# Altium PCB PCB1.PcbDoc
Units mil, origin at the board's own origin, x right, y up, seen from the top; angles counter-clockwise.
Board outline 8957.49 x 2957.48 mil, 2 copper layers (Top Layer, Bottom Layer); 114 components, 77 nets, 439 pads, 31 vias.
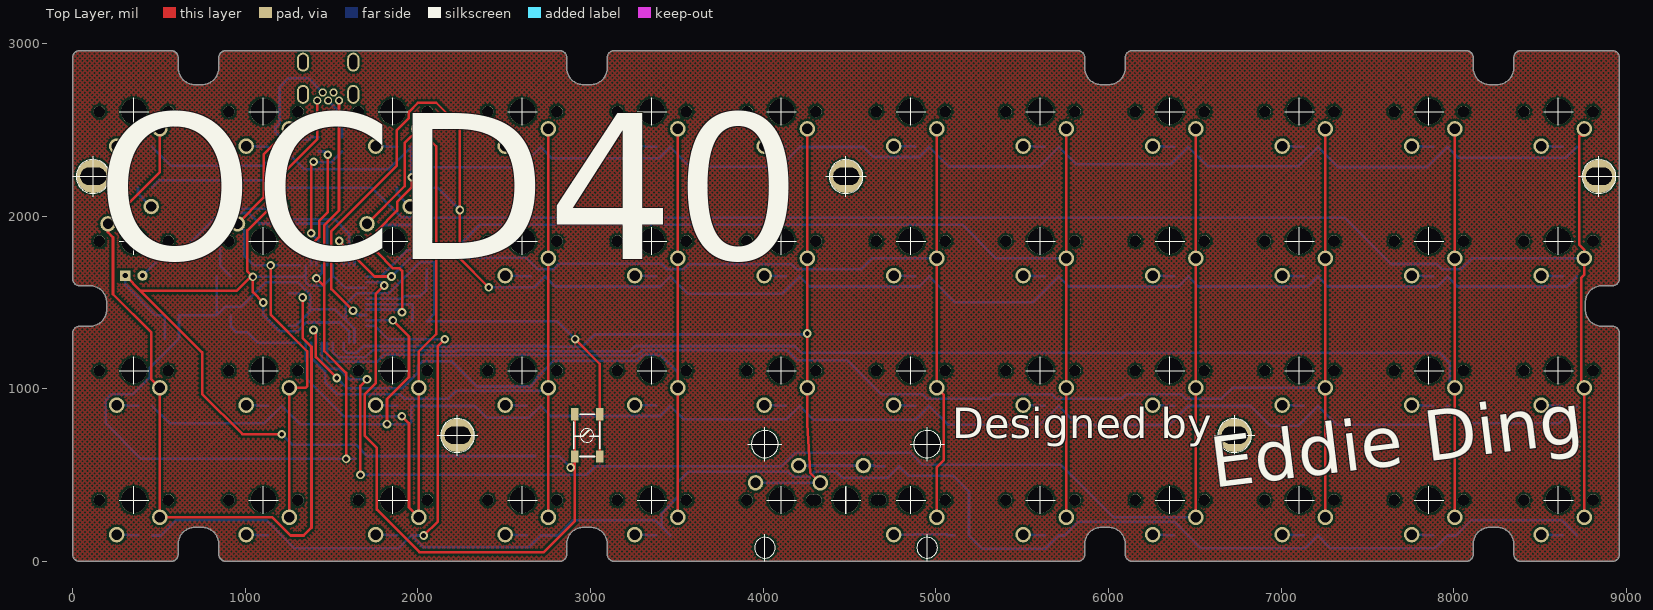
[diagram p0: Top Layer view]
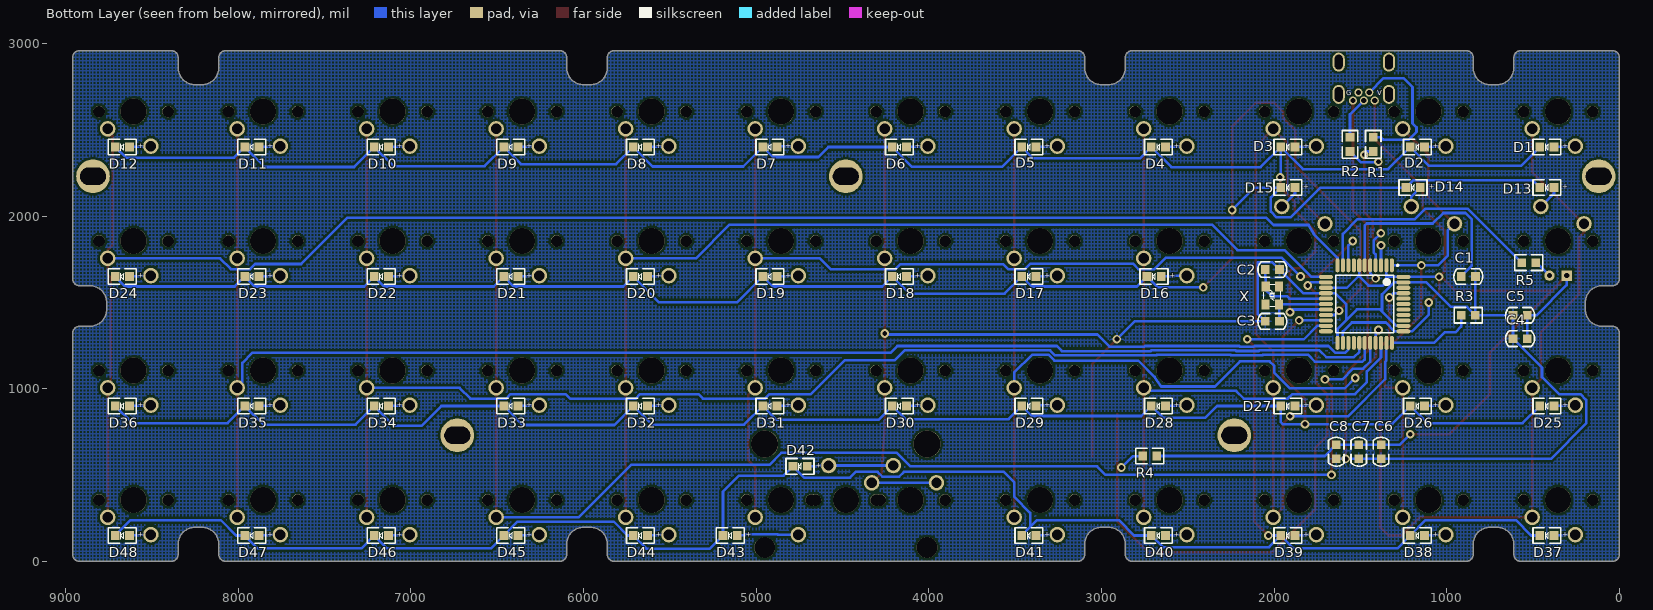
[diagram p1: Bottom Layer view, seen from below]

## Layer stack, top to bottom
Top Solder: solder mask 0.4, Solder Resist, Dk 3.5
Top Layer: signal copper 1.4
Dielectric 1: dielectric 12.6, FR-4, Dk 4.8
Bottom Layer: signal copper 1.4
Bottom Solder: solder mask 0.4, Solder Resist, Dk 3.5

## Board outline
39.62,0.25 cw(c39.62,39.62) 0.25,39.62 0.25,1321.51 cw(c39.62,1321.51) 39.62,1360.88 98.68,1360.88 ccw(c98.68,1459.31) 197.1,1459.31 197.1,1498.68 ccw(c98.68,1498.68) 98.68,1597.1 39.62,1597.1 cw(c39.62,1636.47) 0.25,1636.47 0.25,2918.36 cw(c39.62,2918.36) 39.62,2957.73 571.51,2957.73 cw(c571.51,2918.36) 610.88,2918.36 610.88,2859.31 ccw(c709.31,2859.31) 709.31,2760.88 748.68,2760.88 ccw(c748.68,2859.31) 847.1,2859.31 847.1,2918.36 cw(c886.47,2918.36) 886.47,2957.73 2821.51,2957.73 cw(c2821.51,2918.36) 2860.88,2918.36 2860.88,2859.31 ccw(c2959.31,2859.31) 2959.31,2760.88 2998.68,2760.88 ccw(c2998.68,2859.31) 3097.1,2859.31 3097.1,2918.36 cw(c3136.47,2918.36) 3136.47,2957.73 5821.51,2957.73 cw(c5821.51,2918.36) 5860.88,2918.36 5860.88,2859.31 ccw(c5959.31,2859.31) 5959.31,2760.88 5998.68,2760.88 ccw(c5998.68,2859.31) 6097.1,2859.31 6097.1,2918.36 cw(c6136.47,2918.36) 6136.47,2957.73 8071.51,2957.73 cw(c8071.51,2918.36) 8110.88,2918.36 8110.88,2859.31 ccw(c8209.31,2859.31) 8209.31,2760.88 8248.68,2760.88 ccw(c8248.68,2859.31) 8347.1,2859.31 8347.1,2918.36 cw(c8386.48,2918.36) 8386.48,2957.73 8918.37,2957.73 cw(c8918.37,2918.36) 8957.74,2918.36 8957.74,1636.47 cw(c8918.37,1636.47) 8918.37,1597.1 8859.31,1597.1 ccw(c8859.31,1498.68) 8760.88,1498.68 8760.88,1459.31 ccw(c8859.31,1459.31) 8859.31,1360.88 8918.37,1360.88 cw(c8918.37,1321.51) 8957.74,1321.51 8957.74,39.62 cw(c8918.37,39.62) 8918.37,0.25 8386.48,0.25 cw(c8386.48,39.62) 8347.1,39.62 8347.1,98.68 ccw(c8248.68,98.68) 8248.68,197.1 8209.31,197.1 ccw(c8209.31,98.68) 8110.88,98.68 8110.88,39.62 cw(c8071.51,39.62) 8071.51,0.25 6136.47,0.25 cw(c6136.47,39.62) 6097.1,39.62 6097.1,98.68 ccw(c5998.68,98.68) 5998.68,197.1 5959.31,197.1 ccw(c5959.31,98.68) 5860.88,98.68 5860.88,39.62 cw(c5821.51,39.62) 5821.51,0.25 3136.47,0.25 cw(c3136.47,39.62) 3097.1,39.62 3097.1,98.68 ccw(c2998.68,98.68) 2998.68,197.1 2959.31,197.1 ccw(c2959.31,98.68) 2860.88,98.68 2860.88,39.62 cw(c2821.51,39.62) 2821.51,0.25 886.47,0.25 cw(c886.47,39.62) 847.1,39.62 847.1,98.68 ccw(c748.68,98.68) 748.68,197.1 709.31,197.1 ccw(c709.31,98.68) 610.88,98.68 610.88,39.62 cw(c571.51,39.62) 571.51,0.25

## Design rules (kind name [scope] priority, off if disabled: settings)
Clearance [All] p1: gap=6
PolygonConnect [All] p1: connectstyle=Relief reliefconductorwidth=10 reliefentries=4 polygonreliefangle="90 Angle" airgapwidth=10
RoutingVias [All] p1: holewidth=28 width=50 viastyle="Through Hole" minholewidth=28 minwidth=50 maxholewidth=28 maxwidth=50
SolderMaskExpansion [All] p1: expansion=4
Width [All] p1: maxlimit=15 minlimit=6 preferedwidth=10
29 further rules are at their usual default settings.

## Classes and differential pairs
component class Sheet1: C1 C2 C3 C4 C5 C6 C7 C8 D1 D2 D3 D4 D5 D6 D7 D8 D9 D10 D11 D12 D13 D14 D15 D16 D17 D18 D19 D20 D21 D22 D23 D24 D25 D26 D27 D28 D29 D30 D31 D32 D33 D34 D35 D36 D37 D38 D39 D40 D41 D42 D43 D44 D45 D46 D47 D48 R1 R2 R3 R4 R5 X ""

## Components (designator, comment, footprint, x,y, rotation, side; value= is the part's Value field where it differs from the comment)
C1 "C0805" C 875,1650 r0 bottom
C2 "C0805" C 2010,1690 r180 bottom
C3 "C0805" C 2010,1390 r0 bottom
C4 "C0805" C 575,1290 r0 bottom
C5 "C0805" C 575,1425 r0 bottom
C6 "C0805" C 1380,635 r270 bottom
C7 "C0805" C 1510,635 r270 bottom
C8 "C0805" C 1640,635 r270 bottom
D1 "D0805" D0805 420,2400 r0 bottom
D2 "D0805" D0805 1170,2400 r0 bottom
D3 "D0805" D0805 1920,2400 r0 bottom
D4 "D0805" D0805 2670,2400 r0 bottom
D5 "D0805" D0805 3420,2400 r0 bottom
D6 "D0805" D0805 4170,2400 r0 bottom
D7 "D0805" D0805 4920,2400 r0 bottom
D8 "D0805" D0805 5670,2400 r0 bottom
D9 "D0805" D0805 6420,2400 r0 bottom
D10 "D0805" D0805 7170,2400 r0 bottom
D11 "D0805" D0805 7920,2400 r0 bottom
D12 "D0805" D0805 8670,2400 r0 bottom
D13 "D0805" D0805 420,2165 r0 bottom
D14 "D0805" D0805 1195,2165 r0 bottom
D15 "D0805" D0805 1920,2165 r0 bottom
D16 "D0805" D0805 2695,1650 r0 bottom
D17 "D0805" D0805 3420,1650 r0 bottom
D18 "D0805" D0805 4170,1650 r0 bottom
D19 "D0805" D0805 4920,1650 r0 bottom
D20 "D0805" D0805 5670,1650 r0 bottom
D21 "D0805" D0805 6420,1650 r0 bottom
D22 "D0805" D0805 7170,1650 r0 bottom
D23 "D0805" D0805 7920,1650 r0 bottom
D24 "D0805" D0805 8670,1650 r0 bottom
D25 "D0805" D0805 420,900 r0 bottom
D26 "D0805" D0805 1170,900 r0 bottom
D27 "D0805" D0805 1920,900 r0 bottom
D28 "D0805" D0805 2670,900 r0 bottom
D29 "D0805" D0805 3420,900 r0 bottom
D30 "D0805" D0805 4170,900 r0 bottom
D31 "D0805" D0805 4920,900 r0 bottom
D32 "D0805" D0805 5670,900 r0 bottom
D33 "D0805" D0805 6420,900 r0 bottom
D34 "D0805" D0805 7170,900 r0 bottom
D35 "D0805" D0805 7920,900 r0 bottom
D36 "D0805" D0805 8670,900 r0 bottom
D37 "D0805" D0805 420,150 r0 bottom
D38 "D0805" D0805 1170,150 r0 bottom
D39 "D0805" D0805 1920,150 r0 bottom
D40 "D0805" D0805 2670,150 r0 bottom
D41 "D0805" D0805 3420,150 r0 bottom
D42 "D0805" D0805 4745,550 r0 bottom
D43 "D0805" D0805 5150,150 r0 bottom
D44 "D0805" D0805 5670,150 r0 bottom
D45 "D0805" D0805 6420,150 r0 bottom
D46 "D0805" D0805 7170,150 r0 bottom
D47 "D0805" D0805 7920,150 r0 bottom
D48 "D0805" D0805 8670,150 r0 bottom
J "USB" USB 1480,2780 r180 bottom
KEY "KEY" KEY 2980,730 r90 top
R1 "R0805" R 1425,2415 r270 bottom
R2 "R0805" R 1560,2415 r270 bottom
R3 "R0805" R 875,1425 r180 bottom
R4 "R0805" R 2720,610 r180 bottom
R5 "R0805" R 525,1730 r0 bottom (schematic designator R?)
S1 "MX2" MX2 355,2605 r180 top
S2 "MX2" MX2 1105,2605 r180 top
S3 "MX2" MX2 1855,2605 r180 top
S4 "MX2" MX2 2605,2605 r180 top
S5 "MX2" MX2 3355,2605 r180 top
S6 "MX2" MX2 4105,2605 r180 top
S7 "MX2" MX2 4855,2605 r180 top
S8 "MX2" MX2 5605,2605 r180 top
S9 "MX2" MX2 6355,2605 r180 top
S10 "MX2" MX2 7105,2605 r180 top
S11 "MX2" MX2 7855,2605 r180 top
S12 "MX2" MX2 8605,2605 r180 top
S13 "MX4" MX4 355,1855 r0 top
S14 "MX2" MX2 1105,1855 r0 top
S15 "MX2" MX2 1855,1855 r0 top
S16 "MX2" MX2 2605,1855 r180 top
S17 "MX2" MX2 3355,1855 r180 top
S18 "MX2" MX2 4105,1855 r180 top
S19 "MX2" MX2 4855,1855 r180 top
S20 "MX2" MX2 5605,1855 r180 top
S21 "MX2" MX2 6355,1855 r180 top
S22 "MX2" MX2 7105,1855 r180 top
S23 "MX2" MX2 7855,1855 r180 top
S24 "MX2" MX2 8605,1855 r180 top
S25 "MX2" MX2 355,1105 r180 top
S26 "MX2" MX2 1105,1105 r180 top
S27 "MX2" MX2 1855,1105 r180 top
S28 "MX2" MX2 2605,1105 r180 top
S29 "MX2" MX2 3355,1105 r180 top
S30 "MX2" MX2 4105,1105 r180 top
S31 "MX2" MX2 4855,1105 r180 top
S32 "MX2" MX2 5605,1105 r180 top
S33 "MX2" MX2 6355,1105 r180 top
S34 "MX2" MX2 7105,1105 r180 top
S35 "MX2" MX2 7855,1105 r180 top
S36 "MX2" MX2 8605,1105 r180 top
S37 "MX2" MX2 355,355 r180 top
S38 "MX2" MX2 1105,355 r180 top
S39 "MX2" MX2 1855,355 r180 top
S40 "MX2" MX2 2605,355 r180 top
S41 "MX2" MX2 3355,355 r180 top
S42 "MX2" MX2 4105,355 r0 top
S42_2 "MX2" MX2 4480,355 r0 top
S43 "MX2" MX2 4855,355 r180 top
S44 "MX2" MX2 5605,355 r180 top
S45 "MX2" MX2 6355,355 r180 top
S46 "MX2" MX2 7105,355 r180 top
S47 "MX2" MX2 7855,355 r180 top
S48 "MX2" MX2 8605,355 r180 top
U1 "32U4" 32U4 1475,1490 r270 bottom
X "X" X 2010,1540 r270 bottom

## Footprints (in the part's own frame and the unit in brackets; to place one, negate y for a bottom-side part, rotate by r counter-clockwise, add the part's x,y. Pads: shape width x height; smd on the part's side, far side on the other; paste and mask are expansions set on the pad)
32U4 [mm]
  oval 2.05x0.6 smd: 1(-5.7,4) 2(-5.7,3.2) 3(-5.7,2.4) 4(-5.7,1.6) 5(-5.7,0.8) 6(-5.7,0) 7(-5.7,-0.8) 8(-5.7,-1.6) 9(-5.7,-2.4) 10(-5.7,-3.2) 11(-5.7,-4) 23(5.7,-4) 24(5.7,-3.2) 25(5.7,-2.4) 26(5.7,-1.6) 27(5.7,-0.8) 28(5.7,0) 29(5.7,0.8) 30(5.7,1.6) 31(5.7,2.4) 32(5.7,3.2) 33(5.7,4)
  oval 0.6x2.05 smd: 12(-4,-5.7) 13(-3.2,-5.7) 14(-2.4,-5.7) 15(-1.6,-5.7) 16(-0.8,-5.7) 17(0,-5.7) 18(0.8,-5.7) 19(1.6,-5.7) 20(2.4,-5.7) 21(3.2,-5.7) 22(4,-5.7) 34(4,5.7) 35(3.2,5.7) 36(2.4,5.7) 37(1.6,5.7) 38(0.8,5.7) 39(0,5.7) 40(-0.8,5.7) 41(-1.6,5.7) 42(-2.4,5.7) 43(-3.2,5.7) 44(-4,5.7)
  silkscreen extent -5.82,-4.25 4.25,4.97, body extent -6,-6 6,6, height 1.2
C [mil]
  rect 50x50 smd: 1(-41.35,0.05) 2(41.35,-0.05)
  silkscreen extent -83,-45 84,45, body extent -39,-24 39,25, height 30
D0805 [mil]
  rect 50x50 smd: 1(-41.15,-0.1) 2(41.15,0.1)
  silkscreen extent -81,-45 81,45, body extent -40,-25 39,25, height 22
KEY [mil]
  rect 70.9x43.3 smd: 1(-122.5,72.5) 1(122.5,72.5) 2(-122.5,-72.5)
  rect 70.9x43.3 smd mask+4: 2(122.5,-72.5)
  silkscreen extent -122,-72 122,78
MX2 [mil]
  round 90 hole 60: 1(-150,100) 2(100,200)
  round 67 hole 67 unplated: ""(-200,0) ""(200,0)
  round 150 hole 150 unplated: ""(0,0)
  silkscreen extent -85,-80 85,80
MX4 [mil]
  round 90 hole 60: 1(-150,100) 2(100,200)
  rect 60x60 hole 30: 3(-50,-200)
  round 60 hole 30: 4(50,-200)
  round 67 hole 67 unplated: ""(-200,0) ""(200,0)
  round 150 hole 150 unplated: ""(0,0)
  silkscreen extent -85,-80 85,80
R [mil]
  rect 50x50 smd: 1(-41.15,-0.1) 2(41.15,0.1)
  silkscreen extent -81,-45 81,45, body extent -40,-25 39,25, height 22
USB [mil]
  oval 70x110 hole 45 slot 85 at 90 deg: 0(-145.5,-75.5) 0(-145.5,111.5) 0(145.5,-75.5) 0(145.5,111.5)
  round 47.24 hole 30: 1(63,-111.5) 2(31.5,-64.5) 3(0,-111.5) 4(-31.5,-64.5) 5(-63,-111.5)
  body extent -154,-124 150,230, height 156
X [mil]
  rect 59.06x47.24 smd: 1(-51,-38.5) 2(52,-39.5) 3(52,39.5) 4(-52,38.5)
  silkscreen extent -61,-50 65,48, body extent -61,-50 65,48, height 31

## Free pads (board coordinates)
  round 120 hole 120: 0(4010,80) 0(4950,80)
  round 157 hole 157: 1(4010,680) 1(4950,680)
  round 195 hole 100 slot 150 at 0 deg: 2(120,2230) 2(2230,730) 2(4480,2230) 2(6730,730) 2(8840,2230)

## Via types
v1: diameter 50, hole 28, Top Layer to Bottom Layer, 31 vias

## Nets (pads, with @x,y where several pads share a name; then routed paths per layer and width w, separated by ;. In a path a pad name is that pad's centre, name@x,y a point inside that pad or via, vN(x,y) a via of type N, cw(c..) or ccw(c..) an arc to the next point about the centre after c; other vN are vias at no path point)
GND: C1.1 C2.2 C3.2 C4.2 C5.2 C6.2 C7.2 C8.2 J.5 KEY.2 R3.2 U1.5 U1.15 U1.23 U1.35 U1.43 | length 9166.1
  Top Layer w15: v1(1412,1639) 1458.08,1592.92 ; J.5 1543,2032.42 1458.08,1947.5 1458.08,1592.92 ; v1(1584,593.65) 1584,1091 1458.08,1216.92 1458.08,1592.92 ; v1(2910,1287) 3052.5,1144.5 3052.5,852.5 KEY.2@3052.5,607.5
  Bottom Layer w15: C1.1 833.65,1537.2 833.85,1537 R3.2 ; U1.35 1291.02,1364.02 1375,1448 ; v1(1412,1639) 1443.5,1670.5 U1.5 ; U1.23 1632.48,1347 1581,1398.48 ; C8.2 v1(1584,593.65) C7.2 C6.2 397.35,593.65 192,799 192,935 225,968 348.82,968 448,1067.18 448,1121.7 C4.2 C5.2 725,1425.05 725.05,1425.1 R3.2 ; v1(2910,1287) 2806.95,1390.05 C3.2 2093.85,1432.55 2093.85,1732.55 2011.25,1732.55 C2.2 1831.69,1552.99 U1.15 1647,1552.99 1581,1486.99 1581,1398.48 ; R3.2 882.75,1474 975.59,1474 1117.57,1615.98 U1.43 1305.52,1615.98 1375,1546.5 1375,1448 ; 1375,1448 1387,1460 1519.48,1460 1581,1398.48
NetC1_2: C1.2 U1.6 | length 1252.1
  Bottom Layer w15: C1.2 854,1712.4 854,1979.5 892,2017.5 1020,2017.5 1081,1956.5 1462.5,1956.5 1475,1944 U1.6
NetC2_1: C2.1 U1.16 X.1 | length 489.5
  Bottom Layer w15: U1.16 1911,1521.5 1925.5,1536 2013,1536 2048.5,1571.5 X.1 2048.5,1639 2051.35,1641.85 C2.1
NetC3_1: C3.1 U1.17 X.3 | length 370.7
  Bottom Layer w15: U1.17 1846.5,1490 1848.5,1488 X.3 1970.5,1439.85 1968.65,1438 C3.1
NetD1_1: D1.1 S1.2 | length 125.9
  Bottom Layer w15: S1.2 314,2405 318.9,2400.1 D1.1
NetD1_2: D1.2 D2.2 D3.2 D4.2 D5.2 D6.2 D7.2 D8.2 D9.2 D10.2 D11.2 D12.2 U1.18 | length 10497.5
  Top Layer w15: v1(1908,1443) 1908,1682.32 1893.66,1696.66 1856.34,1696.66 1762,1791 1762,1913.32 1880,2031.32 1880,2082 1965,2167 v1(1965,2225)
  Bottom Layer w15: D1.2 571.05,2290 1101.25,2290 D2.2 1339.7,2271.35 1832.6,2271.35 D3.2 ; U1.18 1892.5,1458.5 v1(1908,1443) ; v1(1965,2225) 1961.15,2228.85 D3.2 ; D12.2 8649.25,2338 8023.05,2338 D11.2 7845.25,2284 7327.05,2284 D10.2 7100.25,2289 6572.05,2289 D9.2 6361.25,2300 5811.05,2300 D8.2 5598.25,2287 5074.05,2287 D7.2 4903.25,2342 4639,2342 4581.1,2399.9 D6.2 4096.25,2285 3576.05,2285 D5.2 3395.25,2334 2777.05,2334 D4.2 2594.25,2283 2078.05,2283 D3.2
NetD2_1: D2.1 S2.2 | length 125.9
  Bottom Layer w15: S2.2 1064,2405 1068.9,2400.1 D2.1
NetD3_1: D3.1 S3.2 | length 125.9
  Bottom Layer w15: S3.2 1814,2405 1818.9,2400.1 D3.1
NetD4_1: D4.1 S4.2 | length 125.9
  Bottom Layer w15: S4.2 2564,2405 2568.9,2400.1 D4.1
NetD5_1: D5.1 S5.2 | length 125.9
  Bottom Layer w15: S5.2 3314,2405 3318.9,2400.1 D5.1
NetD6_1: D6.1 S6.2 | length 125.9
  Bottom Layer w15: S6.2 4061.35,2405 4066.25,2400.1 D6.1
NetD7_1: D7.1 S7.2 | length 125.9
  Bottom Layer w15: S7.2 4873.95,2405 D7.1
NetD8_1: D8.1 S8.2 | length 125.9
  Bottom Layer w15: S8.2 5564,2405 5568.9,2400.1 D8.1
NetD9_1: D9.1 S9.2 | length 125.9
  Bottom Layer w15: S9.2 6314,2405 6318.9,2400.1 D9.1
NetD10_1: D10.1 S10.2 | length 125.9
  Bottom Layer w15: S10.2 7064,2405 7068.9,2400.1 D10.1
NetD11_1: D11.1 S11.2 | length 125.9
  Bottom Layer w15: S11.2 7814,2405 7818.9,2400.1 D11.1
NetD12_1: D12.1 S12.2 | length 125.9
  Bottom Layer w15: S12.2 8564,2405 8568.9,2400.1 D12.1
NetD13_1: D13.1 S13.2 | length 141.6
  Bottom Layer w15: D13.1 378.85,2131.15 S13.2
NetD13_2: D13.2 D14.2 D15.2 D16.2 D17.2 D18.2 D19.2 D20.2 D21.2 D22.2 D23.2 D24.2 U1.19 | length 11848.9
  Top Layer w15: v1(1624,1452.01) 1499,1577.01 1499,1912 1877,2290 1877,2496.18 1947.5,2566.68 1947.5,2603.5 2000,2656 2106,2656 2243,2519 v1(2243,2035) 2243,1754 v1(2410,1587)
  Bottom Layer w15: D13.2 504.25,2208 1193.05,2208 D14.2 1732.1,2164.9 1905,1992 1985,1992 2018,2025 2018,2108.05 D15.2 2113.1,2164.9 v1(2243,2035) ; v1(1624,1452.01) 1649,1427.01 U1.19 ; v1(2410,1587) 2673.25,1587 D16.2 2794.05,1592 3403.25,1592 D17.2 3561.05,1550 4111.25,1550 D18.2 4269.05,1592 4903.25,1592 D19.2 5111.05,1500 5561.25,1500 D20.2 5769.05,1592 6403.25,1592 D21.2 6519.05,1592 7153.25,1592 D22.2 7269.05,1592 7903.25,1592 D23.2 8019.05,1592 8653.25,1592 D24.2
NetD14_1: D14.1 S14.2 | length 131.3
  Bottom Layer w15: D14.1 1205,2113.95 S14.2
NetD15_1: D15.1 S15.2 | length 141.6
  Bottom Layer w15: D15.1 1878.85,2131.15 S15.2
NetD16_1: D16.1 S16.2 | length 150.9
  Bottom Layer w15: S16.2 2576,1655 2580.9,1650.1 D16.1
NetD17_1: D17.1 S17.2 | length 125.9
  Bottom Layer w15: S17.2 3314,1655 3318.9,1650.1 D17.1
NetD18_1: D18.1 S18.2 | length 125.9
  Bottom Layer w15: S18.2 4064,1655 4068.9,1650.1 D18.1
NetD19_1: D19.1 S19.2 | length 125.9
  Bottom Layer w15: S19.2 4814,1655 4818.9,1650.1 D19.1
NetD20_1: D20.1 S20.2 | length 125.9
  Bottom Layer w15: S20.2 5564,1655 5568.9,1650.1 D20.1
NetD21_1: D21.1 S21.2 | length 125.9
  Bottom Layer w15: S21.2 6314,1655 6318.9,1650.1 D21.1
NetD22_1: D22.1 S22.2 | length 125.9
  Bottom Layer w15: S22.2 7064,1655 7068.9,1650.1 D22.1
NetD23_1: D23.1 S23.2 | length 125.9
  Bottom Layer w15: S23.2 7814,1655 7818.9,1650.1 D23.1
NetD24_1: D24.1 S24.2 | length 125.9
  Bottom Layer w15: S24.2 8564,1655 8568.9,1650.1 D24.1
NetD25_1: D25.1 S25.2 | length 125.9
  Bottom Layer w15: S25.2 314,905 318.9,900.1 D25.1
NetD25_2: D25.2 D26.2 D27.2 D28.2 D29.2 D30.2 D31.2 D32.2 D33.2 D34.2 D35.2 D36.2 U1.20 | length 10003.6
  Top Layer w15: v1(1821,795) 1821,940.18 1948,1067.18 1948,1302.51 v1(1855,1395.51)
  Bottom Layer w15: D25.2 561.05,800 1111.25,800 D26.2 1316.05,795 v1(1821,795) 1949.88,795 1961.15,806.27 D27.2 2330.1,899.9 2398,832 2643.25,832 D28.2 2769.05,842 3403.25,842 D29.2 3537.05,824 4135.25,824 D30.2 4292.05,819 4880.25,819 D31.2 5069.05,792 5603.25,792 D32.2 5821.05,790 6351.25,790 D33.2 6822.1,899.9 6937,785 7096.25,785 D34.2 7319.05,792 7853.25,792 D35.2 8061.05,800 8611.25,800 D36.2 ; U1.20 v1(1855,1395.51)
NetD26_1: D26.1 S26.2 | length 125.9
  Bottom Layer w15: S26.2 1064,905 1068.9,900.1 D26.1
NetD27_1: D27.1 S27.2 | length 125.9
  Bottom Layer w15: S27.2 1814,905 1818.9,900.1 D27.1
NetD28_1: D28.1 S28.2 | length 125.9
  Bottom Layer w15: S28.2 2564,905 2568.9,900.1 D28.1
NetD29_1: D29.1 S29.2 | length 125.9
  Bottom Layer w15: S29.2 3373.95,905 D29.1
NetD30_1: D30.1 S30.2 | length 125.9
  Bottom Layer w15: S30.2 4064,905 4068.9,900.1 D30.1
NetD31_1: D31.1 S31.2 | length 125.9
  Bottom Layer w15: S31.2 4814,905 4818.9,900.1 D31.1
NetD32_1: D32.1 S32.2 | length 125.9
  Bottom Layer w15: S32.2 5564,905 5568.9,900.1 D32.1
NetD33_1: D33.1 S33.2 | length 125.9
  Bottom Layer w15: S33.2 6311.35,905 6316.25,900.1 D33.1
NetD34_1: D34.1 S34.2 | length 125.9
  Bottom Layer w15: S34.2 7064,905 7068.9,900.1 D34.1
NetD35_1: D35.1 S35.2 | length 125.9
  Bottom Layer w15: S35.2 7814,905 7818.9,900.1 D35.1
NetD36_1: D36.1 S36.2 | length 125.9
  Bottom Layer w15: S36.2 8554.58,905 8559.48,900.1 D36.1
NetD37_1: D37.1 S37.2 | length 125.9
  Bottom Layer w15: S37.2 314,155 318.9,150.1 D37.1
NetD37_2: D37.2 D38.2 D39.2 D40.2 D41.2 D42.2 D43.2 D44.2 D45.2 D46.2 D47.2 D48.2 U1.21 | length 11246.7
  Top Layer w15: v1(2032.9,149.9) 2115,232 2115,1246 v1(2155,1286)
  Bottom Layer w15: D37.2 510.9,149.9 600,239 1122.05,239 D38.2 1286.05,75 1886.25,75 D39.2 ; U1.21 1749.98,1364.02 1828,1286 v1(2155,1286) ; v1(2032.9,149.9) D39.2 ; D41.2 3412,199.05 ; D48.2 8622.05,239 8100,239 8010.9,149.9 D47.2 7886.25,75 7286.05,75 D46.2 7136.25,75 6536.05,75 D45.2 6381.05,230 5824,230 5743.9,149.9 D44.2 5635.25,74 5267.05,74 D43.2 5191.15,404.85 5100,496 4840.05,496 D42.2 4721.25,485 4456,485 4423,518 4296,518 4268,490 4171,490 4143,518 3565,518 3504,457 3504,373.18 3412,281.18 3412,199.05 ; D39.2 2029.05,82 2643.25,82 D40.2 2809.9,149.9 2899,239 3372.05,239 3412,199.05
NetD38_1: D38.1 S38.2 | length 125.9
  Bottom Layer w15: S38.2 1064,155 1068.9,150.1 D38.1
NetD39_1: D39.1 S39.2 | length 125.9
  Bottom Layer w15: S39.2 1814,155 1818.9,150.1 D39.1
NetD40_1: D40.1 S40.2 | length 125.9
  Bottom Layer w15: S40.2 2564,155 2568.9,150.1 D40.1
NetD41_1: D41.1 S41.2 | length 125.9
  Bottom Layer w15: S41.2 3314,155 3318.9,150.1 D41.1
NetD42_1: D42.1 S42.2 S42_2.2 | length 500.9
  Bottom Layer w15: S42.2 S42_2.2 4643.9,555 4648.8,550.1 D42.1
NetD43_1: D43.1 S43.2 | length 358.4
  Bottom Layer w15: S43.2 4873,155 4876,158 5060,158 5067.9,150.1 D43.1
NetD44_1: D44.1 S44.2 | length 125.9
  Bottom Layer w15: S44.2 5564,155 5568.9,150.1 D44.1
NetD45_1: D45.1 S45.2 | length 125.9
  Bottom Layer w15: S45.2 6311.35,155 6316.25,150.1 D45.1
NetD46_1: D46.1 S46.2 | length 125.9
  Bottom Layer w15: S46.2 7064,155 7068.9,150.1 D46.1
NetD47_1: D47.1 S47.2 | length 125.9
  Bottom Layer w15: S47.2 7814,155 7818.9,150.1 D47.1
NetD48_1: D48.1 S48.2 | length 125.9
  Bottom Layer w15: S48.2 8564,155 8568.9,150.1 D48.1
NetJ_2: J.2 R1.1 | length 849
  Bottom Layer w15: R1.1 1380.75,2456.15 1367,2442.4 1219.6,2442.4 1175,2487 1175,2513 1198,2536 1198,2746 1250,2798 1366,2798 J.2
NetJ_3: J.3 R2.1 | length 245.5
  Bottom Layer w15: J.3 1560.1,2588.4 R2.1
NetKEY_1: KEY.1 R4.1 U1.13 | length 3611.6
  Top Layer w15: v1(1804.5,1597.5) 1755,1548 1755,1031 1692,968 1692,727 1762,657 1762,300 2008.5,53.5 2729.5,53.5 2907.5,231.5 2907.5,567.5 ; v1(2884,544) 2907.5,567.5 ; KEY.1@2907.5,852.5 2907.5,607.5 2907.5,567.5
  Bottom Layer w15: U1.13 1786.02,1615.98 v1(1804.5,1597.5) ; R4.1 2818.1,609.9 v1(2884,544)
NetR1_2: R1.2 U1.3 | length 741.9
  Top Layer w15: v1(1380.51,1830) 1427.94,1877.43 1427.94,1972.5 1478,2022.56 v1(1478,2355)
  Bottom Layer w15: U1.3 v1(1380.51,1830) ; R1.2 1459.15,2373.85 v1(1478,2355)
NetR2_2: R2.2 U1.4 | length 818
  Top Layer w15: v1(1381,1900) 1381,2299.5 v1(1395.5,2314)
  Bottom Layer w15: v1(1381,1900) 1423.01,1857.99 1423.01,1788 1412.01,1777 U1.4 ; v1(1395.5,2314) 1397,2312.5 1498.55,2312.5 R2.2
NetR3_1: R3.1 U1.33 | length 506.3
  Bottom Layer w15: R3.1 916.15,1359.85 950,1326 1012,1326 1073,1265 1317.52,1265 U1.33
NetR?_1: R5.1 S13.4 | length 110
  Bottom Layer w15: S13.4 480.1,1730.1 R5.1
NetR?_2: R5.2 U1.10 | length 1407.2
  Bottom Layer w15: R5.2 878.75,2042.5 1123.5,2042.5 1184,1982 1516,1982 1600.98,1897.02 U1.10
NetS1_1: S1.1 S13.1 S25.1 S37.1 U1.41 | length 4885.8
  Top Layer w15: S1.1 505,2255 S13.1 205,1906 234,1877 234,1547 456,1325 456,1054 S25.1 504,1004 504,256 S37.1 1157,255 1262,150 1338,150 1383.5,195.5 1383.5,1242 1332,1293.5 v1(1332,1527.99)
  Bottom Layer w15: U1.41 1307,1552.99 v1(1332,1527.99)
NetS2_1: S2.1 S14.1 S26.1 S38.1 U1.1 | length 2868.5
  Top Layer w15: S14.1 1106,2106 1106,2356 S2.1 ; v1(1147,1714) 1147,1428.4 1358.5,1216.9 1358.5,1013.5 1350,1005 S26.1 1254,1004 1254,256 S38.1
  Bottom Layer w15: S14.1 994.19,1915.81 994.19,1769.81 1050,1714 v1(1147,1714) 1317.52,1714 U1.1
NetS3_1: S3.1 S15.1 S27.1 S39.1 U1.32 | length 4489.3
  Top Layer w15: S15.1 1922.5,2172.5 1922.5,2422.5 S3.1 2106,2404 2106,1316 2004,1214 2004,1054 2005,1053 S27.1 2005,406 2004,405 2004,282 2005,282 S39.1 1948,312 1948,799 v1(1907,840)
  Bottom Layer w15: U1.32 1349.02,1162.98 1356,1156 1356,1055 1571,840 v1(1907,840)
NetS4_1: S4.1 S16.1 S28.1 S40.1 U1.31 | length 3874
  Top Layer w15: S40.1 2755,287 2754,287 2754,455 2755,456 S28.1 2755,1075 2754,1076 2754,1755 S16.1 2755,1804 2754,1805 2754,2505 S4.1
  Bottom Layer w15: U1.31 1380.51,1181.49 1462.5,1099.5 1462.5,1037.5 1531,969 1894.5,969 1921,942.5 2175.5,942.5 2220,987 2737,987 S28.1
NetS5_1: S5.1 S17.1 S29.1 S41.1 U1.30 | length 5032.6
  Top Layer w15: v1(1395,1340) 1408.5,1326.5 1408.5,1183.5 v1(1530,1062) ; S41.1 3505,304 3504,305 3504,965 3505,965 S29.1 3505,1054 3504,1055 3504,1715 3505,1715 S17.1 3505,1804 3504,1805 3504,2465 3505,2465 S5.1
  Bottom Layer w15: v1(1395,1340) 1412.01,1322.99 U1.30 ; v1(1530,1062) 1590.5,1001.5 1909,1001.5 2000,1092.5 2000,1133 2025,1158 2197,1158 2342.5,1012.5 2654.5,1012.5 2692,1068 2786.5,1162.5 3272.5,1162.5 3307.5,1197.5 3400,1197.5 3505,1092.5 S29.1
NetS6_1: S6.1 S18.1 S30.1 S42.1 S42_2.1 U1.25 | length 5236
  Top Layer w15: S6.1 4254,2504 4254,1756 S18.1 v1(4255,1320) 4254,1319 4254,1006 S30.1 4255,796 4272,513 S42_2.1
  Bottom Layer w15: U1.25 1569.49,1227 1588.75,1207.73 1644.73,1207.73 1684.5,1247.5 2113.05,1247.5 2117.05,1243.5 2198.05,1243.5 2202.05,1247.5 2747.5,1247.5 2751,1244 2953,1244 3023,1314 4249,1314 v1(4255,1320) ; S42.1 S42_2.1
NetS7_1: S7.1 S19.1 S31.1 S43.1 U1.9 | length 6131
  Top Layer w15: v1(1544,1855) 1749,1650 v1(1847,1650) ; S43.1 5005,282 5004,282 5004,544 5046,586 5046,964 S31.1 5004,1006 5004,1754 S19.1 5005,1804 5004,1805 5004,2505 S7.1
  Bottom Layer w15: v1(1544,1855) 1569.49,1829.51 U1.9 ; v1(1847,1650) 1954.55,1757.55 2627.95,1757.55 2693,1692.5 2786.5,1692.5 2818,1724 3411.5,1724 3443,1692.5 3540.5,1692.5 3568,1720 4165.4,1720 4193,1692.4 4567.4,1692.4 4630,1755 S19.1
NetS8_1: S8.1 S20.1 S32.1 S44.1 U1.12 | length 6514.7
  Top Layer w15: S44.1 5754,256 5754,630 5755,631 S32.1 5755,1032 5754,1032 5754,1613 5755,1614 S20.1 5754,1756 5754,2130 5755,2131 S8.1
  Bottom Layer w15: U1.12 1783.77,1647.48 1938.29,1802 2212,1802 2360,1950 5154,1950 5349,1755 S20.1
NetS9_1: S9.1 S21.1 S33.1 S45.1 U1.29 | length 8281.4
  Top Layer w15: v1(1667,501) 1667,1016 v1(1705,1054) ; S45.1 6505,304 6504,305 6504,1005 S33.1 6505,1054 6504,1055 6504,1715 6505,1715 S21.1 6505,1804 6504,1805 6504,2505 S9.1
  Bottom Layer w15: U1.29 1443.5,1156 1483.5,1116 1542,1116 1604,1054 v1(1705,1054) ; v1(1667,501) 2976,501 3025,550 4106,550 4184,628 4854,628 4923,559 5723,559 6027,255 S45.1
NetS10_1: S10.1 S22.1 S34.1 S46.1 U1.28 | length 8354.8
  Top Layer w15: S46.1 7255,282 7254,282 7254,405 7255,406 S34.1 7255,1054 7254,1055 7254,1715 7255,1715 S22.1 7255,1804 7254,1805 7254,2465 7255,2465 S10.1
  Bottom Layer w15: U1.28 1475,1169.25 1488.25,1156 1763,1156 1804.5,1197.5 2063.05,1197.5 2067.05,1193.5 2248.05,1193.5 2252.05,1197.5 2677,1197.5 2681.5,1193 3267.64,1193 3297.14,1222.5 4139.5,1222.5 4198,1164 4487,1164 4682,969 4921,969 4947.5,942.5 5308,942.5 5333.5,968 5671,968 5696.5,942.5 6077,942.5 6102.5,968 6421,968 6446.5,942.5 6654,942.5 6716.5,1005 S34.1
NetS11_1: S11.1 S23.1 S35.1 S47.1 U1.27 | length 9018.7
  Top Layer w15: S47.1 8004,256 8004,1004 S35.1 8005,1074 8004,1075 8004,1715 8005,1715 S23.1 8005,1804 8004,1805 8004,2505 S11.1
  Bottom Layer w15: U1.27 1506.5,1213.5 1537.27,1182.73 1697.73,1182.73 1737.5,1222.5 2084.05,1222.5 2088.05,1218.5 2218.5,1218.5 2222.5,1222.5 2710.69,1222.5 2715.19,1218 3228,1218 3257.5,1247.5 4182,1247.5 4222.5,1207 7918,1207 7975,1150 7975,1035 S35.1
NetS12_1: S12.1 S24.1 S36.1 S48.1 U1.11 | length 9736.9
  Top Layer w15: S48.1 8755,304 8754,305 8754,965 8755,965 S36.1 8755,1032 8738,1032 8738,1643 8755,1660 S24.1 8755,1804 8725,1834 8725,2465 8755,2465 S12.1
  Bottom Layer w15: U1.11 1632.48,1757.48 1768,1893 1800,1948 2003,1948 2044,1989 7368,1989 7635,1722 7900.5,1722 7930,1692.5 8041.5,1692.5 8104,1755 S24.1
VCC: C4.1 C5.1 C6.1 C7.1 C8.1 J.1 R4.2 S13.3 U1.2 U1.7 U1.14 U1.24 U1.34 U1.44 | length 7098.3
  Top Layer w15: S13.3 393,1567 ; v1(1104,1499) 1044,1559 v1(1044,1647.48) ; v1(1211,736.35) 983.65,736.35 750,970 750,1210 393,1567 ; J.1 1417,2445.45 1139,2167.45 1139,2043 1012,1916 1012,1679.48 v1(1044,1647.48) ; 393,1567 950,1567 1030.48,1647.48 v1(1044,1647.48)
  Bottom Layer w15: S13.3 305,1600 480.05,1424.95 C5.1 C4.1 ; v1(1044,1647.48) U1.44 1334,1647.48 1349.02,1662.5 ; v1(1104,1499) 1104,1428.52 1200,1332.52 U1.34 1301.07,1332.52 1352,1383.45 1549.54,1383.45 1600.98,1332 U1.24 ; v1(1211,736.35) 1271,676.35 C6.1 C7.1 C8.1 1706.2,610.1 R4.2 ; U1.2 1349.02,1662.5 ; U1.7 1506.5,1657 ; U1.14 1579.01,1584.49 1506.5,1657 ; 1349.02,1662.5 1349.02,1616.98 1369.5,1596.5 1453,1596.5 1506.5,1650 1506.5,1657
pads on no net: J.0 J.4 S1. S2. S3. S4. S5. S6. S7. S8. S9. S10. S11. S12. S13. S14. S15. S16. S17. S18. S19. S20. S21. S22. S23. S24. S25. S26. S27. S28. S29. S30. S31. S32. S33. S34. S35. S36. S37. S38. S39. S40. S41. S42. S42_2. S43. S44. S45. S46. S47. S48. U1.8 U1.22 U1.26 U1.36 U1.37 U1.38 U1.39 U1.40 U1.42 X.2 X.4

## Polygon pours and split planes (outlines as drawn)
GND on Bottom Layer "Top Layer-No Net" (hatched 90Degree grid 20 track 8, pour order 10): 39.62,0.25 cw(c39.62,39.62) 0.25,39.62 0.25,1321.51 cw(c39.62,1321.51) 39.62,1360.88 98.68,1360.88 ccw(c98.68,1459.31) 197.1,1459.31 197.1,1498.68 ccw(c98.68,1498.68) 98.68,1597.1 39.62,1597.1 cw(c39.62,1636.47) 0.25,1636.47 0.25,2918.36 cw(c39.62,2918.36) 39.62,2957.73 571.51,2957.73 cw(c571.51,2918.36) 610.88,2918.36 610.88,2859.31 ccw(c709.31,2859.31) 709.31,2760.88 748.68,2760.88 ccw(c748.68,2859.31) 847.1,2859.31 847.1,2918.36 cw(c886.47,2918.36) 886.47,2957.73 2821.51,2957.73 cw(c2821.51,2918.36) 2860.88,2918.36 2860.88,2859.31 ccw(c2959.31,2859.31) 2959.31,2760.88 2998.68,2760.88 ccw(c2998.68,2859.31) 3097.1,2859.31 3097.1,2918.36 cw(c3136.47,2918.36) 3136.47,2957.73 5821.51,2957.73 cw(c5821.51,2918.36) 5860.88,2918.36 5860.88,2859.31 ccw(c5959.31,2859.31) 5959.31,2760.88 5998.68,2760.88 ccw(c5998.68,2859.31) 6097.1,2859.31 6097.1,2918.36 cw(c6136.47,2918.36) 6136.47,2957.73 8071.51,2957.73 cw(c8071.51,2918.36) 8110.88,2918.36 8110.88,2859.31 ccw(c8209.31,2859.31) 8209.31,2760.88 8248.68,2760.88 ccw(c8248.68,2859.31) 8347.1,2859.31 8347.1,2918.36 cw(c8386.48,2918.36) 8386.48,2957.73 8918.37,2957.73 cw(c8918.37,2918.36) 8957.74,2918.36 8957.74,1636.47 cw(c8918.37,1636.47) 8918.37,1597.1 8859.31,1597.1 ccw(c8859.31,1498.68) 8760.88,1498.68 8760.88,1459.31 ccw(c8859.31,1459.31) 8859.31,1360.88 8918.37,1360.88 cw(c8918.37,1321.51) 8957.74,1321.51 8957.74,39.62 cw(c8918.37,39.62) 8918.37,0.25 8386.48,0.25 cw(c8386.48,39.62) 8347.1,39.62 8347.1,98.68 ccw(c8248.68,98.68) 8248.68,197.1 8209.31,197.1 ccw(c8209.31,98.68) 8110.88,98.68 8110.88,39.62 cw(c8071.51,39.62) 8071.51,0.25 6136.47,0.25 cw(c6136.47,39.62) 6097.1,39.62 6097.1,98.68 ccw(c5998.68,98.68) 5998.68,197.1 5959.31,197.1 ccw(c5959.31,98.68) 5860.88,98.68 5860.88,39.62 cw(c5821.51,39.62) 5821.51,0.25 3136.47,0.25 cw(c3136.47,39.62) 3097.1,39.62 3097.1,98.68 ccw(c2998.68,98.68) 2998.68,197.1 2959.31,197.1 ccw(c2959.31,98.68) 2860.88,98.68 2860.88,39.62 cw(c2821.51,39.62) 2821.51,0.25 886.47,0.25 cw(c886.47,39.62) 847.1,39.62 847.1,98.68 ccw(c748.68,98.68) 748.68,197.1 709.31,197.1 ccw(c709.31,98.68) 610.88,98.68 610.88,39.62 cw(c571.51,39.62) 571.51,0.25
GND on Top Layer "Top Layer-No Net1" (hatched 45Degree grid 20 track 8, pour order 12): 39.62,0.25 cw(c39.62,39.62) 0.25,39.62 0.25,1321.51 cw(c39.62,1321.51) 39.62,1360.88 98.68,1360.88 ccw(c98.68,1459.31) 197.1,1459.31 197.1,1498.68 ccw(c98.68,1498.68) 98.68,1597.1 39.62,1597.1 cw(c39.62,1636.47) 0.25,1636.47 0.25,2918.36 cw(c39.62,2918.36) 39.62,2957.73 571.51,2957.73 cw(c571.51,2918.36) 610.88,2918.36 610.88,2859.31 ccw(c709.31,2859.31) 709.31,2760.88 748.68,2760.88 ccw(c748.68,2859.31) 847.1,2859.31 847.1,2918.36 cw(c886.47,2918.36) 886.47,2957.73 2821.51,2957.73 cw(c2821.51,2918.36) 2860.88,2918.36 2860.88,2859.31 ccw(c2959.31,2859.31) 2959.31,2760.88 2998.68,2760.88 ccw(c2998.68,2859.31) 3097.1,2859.31 3097.1,2918.36 cw(c3136.47,2918.36) 3136.47,2957.73 5821.51,2957.73 cw(c5821.51,2918.36) 5860.88,2918.36 5860.88,2859.31 ccw(c5959.31,2859.31) 5959.31,2760.88 5998.68,2760.88 ccw(c5998.68,2859.31) 6097.1,2859.31 6097.1,2918.36 cw(c6136.47,2918.36) 6136.47,2957.73 8071.51,2957.73 cw(c8071.51,2918.36) 8110.88,2918.36 8110.88,2859.31 ccw(c8209.31,2859.31) 8209.31,2760.88 8248.68,2760.88 ccw(c8248.68,2859.31) 8347.1,2859.31 8347.1,2918.36 cw(c8386.48,2918.36) 8386.48,2957.73 8918.37,2957.73 cw(c8918.37,2918.36) 8957.74,2918.36 8957.74,1636.47 cw(c8918.37,1636.47) 8918.37,1597.1 8859.31,1597.1 ccw(c8859.31,1498.68) 8760.88,1498.68 8760.88,1459.31 ccw(c8859.31,1459.31) 8859.31,1360.88 8918.37,1360.88 cw(c8918.37,1321.51) 8957.74,1321.51 8957.74,39.62 cw(c8918.37,39.62) 8918.37,0.25 8386.48,0.25 cw(c8386.48,39.62) 8347.1,39.62 8347.1,98.68 ccw(c8248.68,98.68) 8248.68,197.1 8209.31,197.1 ccw(c8209.31,98.68) 8110.88,98.68 8110.88,39.62 cw(c8071.51,39.62) 8071.51,0.25 6136.47,0.25 cw(c6136.47,39.62) 6097.1,39.62 6097.1,98.68 ccw(c5998.68,98.68) 5998.68,197.1 5959.31,197.1 ccw(c5959.31,98.68) 5860.88,98.68 5860.88,39.62 cw(c5821.51,39.62) 5821.51,0.25 3136.47,0.25 cw(c3136.47,39.62) 3097.1,39.62 3097.1,98.68 ccw(c2998.68,98.68) 2998.68,197.1 2959.31,197.1 ccw(c2959.31,98.68) 2860.88,98.68 2860.88,39.62 cw(c2821.51,39.62) 2821.51,0.25 886.47,0.25 cw(c886.47,39.62) 847.1,39.62 847.1,98.68 ccw(c748.68,98.68) 748.68,197.1 709.31,197.1 ccw(c709.31,98.68) 610.88,98.68 610.88,39.62 cw(c571.51,39.62) 571.51,0.25

## Silkscreen, mask and mechanical layers (free items; w line width, h text height)
Top Overlay:
  circle w0.5: c2978.99,728.99 r39.37
  circle w0.5: c4948.99,78.99 r60
  circle w0.5: c4948.99,678.99 r78.5
  circle w0.5: c4008.99,78.99 r60
  circle w0.5: c4008.99,678.99 r78.5
  circle w0.5: c118.36,2228.99 r98.43
  circle w0.5: c4478.99,2228.99 r98.43
  circle w0.5: c8839.62,2228.99 r98.43
  circle w0.5: c6728.99,728.99 r98.43
  circle w0.5: c2228.99,728.99 r98.43
  lines w0.5: 0.25,2228.99 236.47,2228.99 ; 118.36,2110.88 118.36,2347.1 ; 275.25,353.99 432.73,353.99 ; 275.25,1103.99 432.73,1103.99 ; 275.25,1853.99 432.73,1853.99 ; 275.25,2603.99 432.73,2603.99 ; 353.99,275.25 353.99,432.73 ; 353.99,1025.25 353.99,1182.73 ; 353.99,1775.25 353.99,1932.73 ; 353.99,2525.25 353.99,2682.73 ; 1025.25,353.99 1182.73,353.99 ; 1025.25,1103.99 1182.73,1103.99 ; 1025.25,1853.99 1182.73,1853.99 ; 1025.25,2603.99 1182.73,2603.99 ; 1103.99,275.25 1103.99,432.73 ; 1103.99,1025.25 1103.99,1182.73 ; 1103.99,1775.25 1103.99,1932.73 ; 1103.99,2525.25 1103.99,2682.73 ; 1775.25,353.99 1932.73,353.99 ; 1775.25,1103.99 1932.73,1103.99 ; 1775.25,1853.99 1932.73,1853.99 ; 1775.25,2603.99 1932.73,2603.99 ; 1853.99,275.25 1853.99,432.73 ; 1853.99,1025.25 1853.99,1182.73 ; 1853.99,1775.25 1853.99,1932.73 ; 1853.99,2525.25 1853.99,2682.73 ; 2110.88,728.99 2347.1,728.99 ; 2228.99,610.88 2228.99,847.1 ; 2525.25,353.99 2682.73,353.99 ; 2525.25,1103.99 2682.73,1103.99 ; 2525.25,1853.99 2682.73,1853.99 ; 2525.25,2603.99 2682.73,2603.99 ; 2603.99,275.25 2603.99,432.73 ; 2603.99,1025.25 2603.99,1182.73 ; 2603.99,1775.25 2603.99,1932.73 ; 2603.99,2525.25 2603.99,2682.73 ; 3275.25,353.99 3432.73,353.99 ; 3275.25,1103.99 3432.73,1103.99 ; 3275.25,1853.99 3432.73,1853.99 ; 3275.25,2603.99 3432.73,2603.99 ; 3353.99,275.25 3353.99,432.73 ; 3353.99,1025.25 3353.99,1182.73 ; 3353.99,1775.25 3353.99,1932.73 ; 3353.99,2525.25 3353.99,2682.73 ; 3910.57,678.99 4107.42,678.99 ; 4008.99,0.25 4008.99,157.73 ; 4008.99,580.57 4008.99,777.42 ; 4025.25,353.99 4182.73,353.99 ; 4025.25,1103.99 4182.73,1103.99 ; 4025.25,1853.99 4182.73,1853.99 ; 4025.25,2603.99 4182.73,2603.99 ; 4103.99,275.25 4103.99,432.73 ; 4103.99,1025.25 4103.99,1182.73 ; 4103.99,1775.25 4103.99,1932.73 ; 4103.99,2525.25 4103.99,2682.73 ; 4360.88,2228.99 4597.1,2228.99 ; 4400.25,353.99 4557.73,353.99 ; 4478.99,275.25 4478.99,432.73 ; 4478.99,2110.88 4478.99,2347.1 ; 4775.25,353.99 4932.73,353.99 ; 4775.25,1103.99 4932.73,1103.99 ; 4775.25,1853.99 4932.73,1853.99 ; 4775.25,2603.99 4932.73,2603.99 ; 4850.57,678.99 5047.42,678.99 ; 4853.99,275.25 4853.99,432.73 ; 4853.99,1025.25 4853.99,1182.73 ; 4853.99,1775.25 4853.99,1932.73 ; 4853.99,2525.25 4853.99,2682.73 ; 4948.99,0.25 4948.99,157.73 ; 4948.99,580.57 4948.99,777.42 ; 5525.25,353.99 5682.73,353.99 ; 5525.25,1103.99 5682.73,1103.99 ; 5525.25,1853.99 5682.73,1853.99 ; 5525.25,2603.99 5682.73,2603.99 ; 5603.99,275.25 5603.99,432.73 ; 5603.99,1025.25 5603.99,1182.73 ; 5603.99,1775.25 5603.99,1932.73 ; 5603.99,2525.25 5603.99,2682.73 ; 6275.25,353.99 6432.73,353.99 ; 6275.25,1103.99 6432.73,1103.99 ; 6275.25,1853.99 6432.73,1853.99 ; 6275.25,2603.99 6432.73,2603.99 ; 6353.99,275.25 6353.99,432.73 ; 6353.99,1025.25 6353.99,1182.73 ; 6353.99,1775.25 6353.99,1932.73 ; 6353.99,2525.25 6353.99,2682.73 ; 6610.88,728.99 6847.1,728.99 ; 6728.99,610.88 6728.99,847.1 ; 7025.25,353.99 7182.73,353.99 ; 7025.25,1103.99 7182.73,1103.99 ; 7025.25,1853.99 7182.73,1853.99 ; 7025.25,2603.99 7182.73,2603.99 ; 7103.99,275.25 7103.99,432.73 ; 7103.99,1025.25 7103.99,1182.73 ; 7103.99,1775.25 7103.99,1932.73 ; 7103.99,2525.25 7103.99,2682.73 ; 7775.25,353.99 7932.73,353.99 ; 7775.25,1103.99 7932.73,1103.99 ; 7775.25,1853.99 7932.73,1853.99 ; 7775.25,2603.99 7932.73,2603.99 ; 7853.99,275.25 7853.99,432.73 ; 7853.99,1025.25 7853.99,1182.73 ; 7853.99,1775.25 7853.99,1932.73 ; 7853.99,2525.25 7853.99,2682.73 ; 8525.25,353.99 8682.74,353.99 ; 8525.25,1103.99 8682.74,1103.99 ; 8525.25,1853.99 8682.74,1853.99 ; 8525.25,2603.99 8682.74,2603.99 ; 8603.99,275.25 8603.99,432.73 ; 8603.99,1025.25 8603.99,1182.73 ; 8603.99,1775.25 8603.99,1932.73 ; 8603.99,2525.25 8603.99,2682.73 ; 8721.51,2228.99 8957.74,2228.99 ; 8839.62,2110.88 8839.62,2347.1
  text "OCD40" at 136.52,1367.93 h2000
  text "Designed by" at 5095,655 h300
  text "Eddie Ding" at 6620,330 h500 r7
Mechanical 1:
  the board outline again, w0.5

## Text inside footprints (layer, text, board x,y; h text height)
D1: Bottom Overlay "+" at 329.85,2419.1 h30 r180
D2: Bottom Overlay "+" at 1079.85,2419.1 h30 r180
D3: Bottom Overlay "+" at 1829.85,2419.1 h30 r180
D4: Bottom Overlay "+" at 2579.85,2419.1 h30 r180
D5: Bottom Overlay "+" at 3329.85,2419.1 h30 r180
D6: Bottom Overlay "+" at 4079.85,2419.1 h30 r180
D7: Bottom Overlay "+" at 4829.85,2419.1 h30 r180
D8: Bottom Overlay "+" at 5579.85,2419.1 h30 r180
D9: Bottom Overlay "+" at 6329.85,2419.1 h30 r180
D10: Bottom Overlay "+" at 7079.85,2419.1 h30 r180
D11: Bottom Overlay "+" at 7829.85,2419.1 h30 r180
D12: Bottom Overlay "+" at 8579.85,2419.1 h30 r180
D13: Bottom Overlay "+" at 329.85,2184.1 h30 r180
D14: Bottom Overlay "+" at 1104.85,2184.1 h30 r180
D15: Bottom Overlay "+" at 1829.85,2184.1 h30 r180
D16: Bottom Overlay "+" at 2604.85,1669.1 h30 r180
D17: Bottom Overlay "+" at 3329.85,1669.1 h30 r180
D18: Bottom Overlay "+" at 4079.85,1669.1 h30 r180
D19: Bottom Overlay "+" at 4829.85,1669.1 h30 r180
D20: Bottom Overlay "+" at 5579.85,1669.1 h30 r180
D21: Bottom Overlay "+" at 6329.85,1669.1 h30 r180
D22: Bottom Overlay "+" at 7079.85,1669.1 h30 r180
D23: Bottom Overlay "+" at 7829.85,1669.1 h30 r180
D24: Bottom Overlay "+" at 8579.85,1669.1 h30 r180
D25: Bottom Overlay "+" at 329.85,919.1 h30 r180
D26: Bottom Overlay "+" at 1079.85,919.1 h30 r180
D27: Bottom Overlay "+" at 1829.85,919.1 h30 r180
D28: Bottom Overlay "+" at 2579.85,919.1 h30 r180
D29: Bottom Overlay "+" at 3329.85,919.1 h30 r180
D30: Bottom Overlay "+" at 4079.85,919.1 h30 r180
D31: Bottom Overlay "+" at 4829.85,919.1 h30 r180
D32: Bottom Overlay "+" at 5579.85,919.1 h30 r180
D33: Bottom Overlay "+" at 6329.85,919.1 h30 r180
D34: Bottom Overlay "+" at 7079.85,919.1 h30 r180
D35: Bottom Overlay "+" at 7829.85,919.1 h30 r180
D36: Bottom Overlay "+" at 8579.85,919.1 h30 r180
D37: Bottom Overlay "+" at 329.85,169.1 h30 r180
D38: Bottom Overlay "+" at 1079.85,169.1 h30 r180
D39: Bottom Overlay "+" at 1829.85,169.1 h30 r180
D40: Bottom Overlay "+" at 2579.85,169.1 h30 r180
D41: Bottom Overlay "+" at 3329.85,169.1 h30 r180
D42: Bottom Overlay "+" at 4654.85,569.1 h30 r180
D43: Bottom Overlay "+" at 5059.85,169.1 h30 r180
D44: Bottom Overlay "+" at 5579.85,169.1 h30 r180
D45: Bottom Overlay "+" at 6329.85,169.1 h30 r180
D46: Bottom Overlay "+" at 7079.85,169.1 h30 r180
D47: Bottom Overlay "+" at 7829.85,169.1 h30 r180
D48: Bottom Overlay "+" at 8579.85,169.1 h30 r180
J: Bottom Overlay "G" at 1582,2698.5 h30; Bottom Overlay "V" at 1402,2698.5 h30